# Altium PCB HexapodRobot_STC15W4K48S4.PcbDoc (continued)
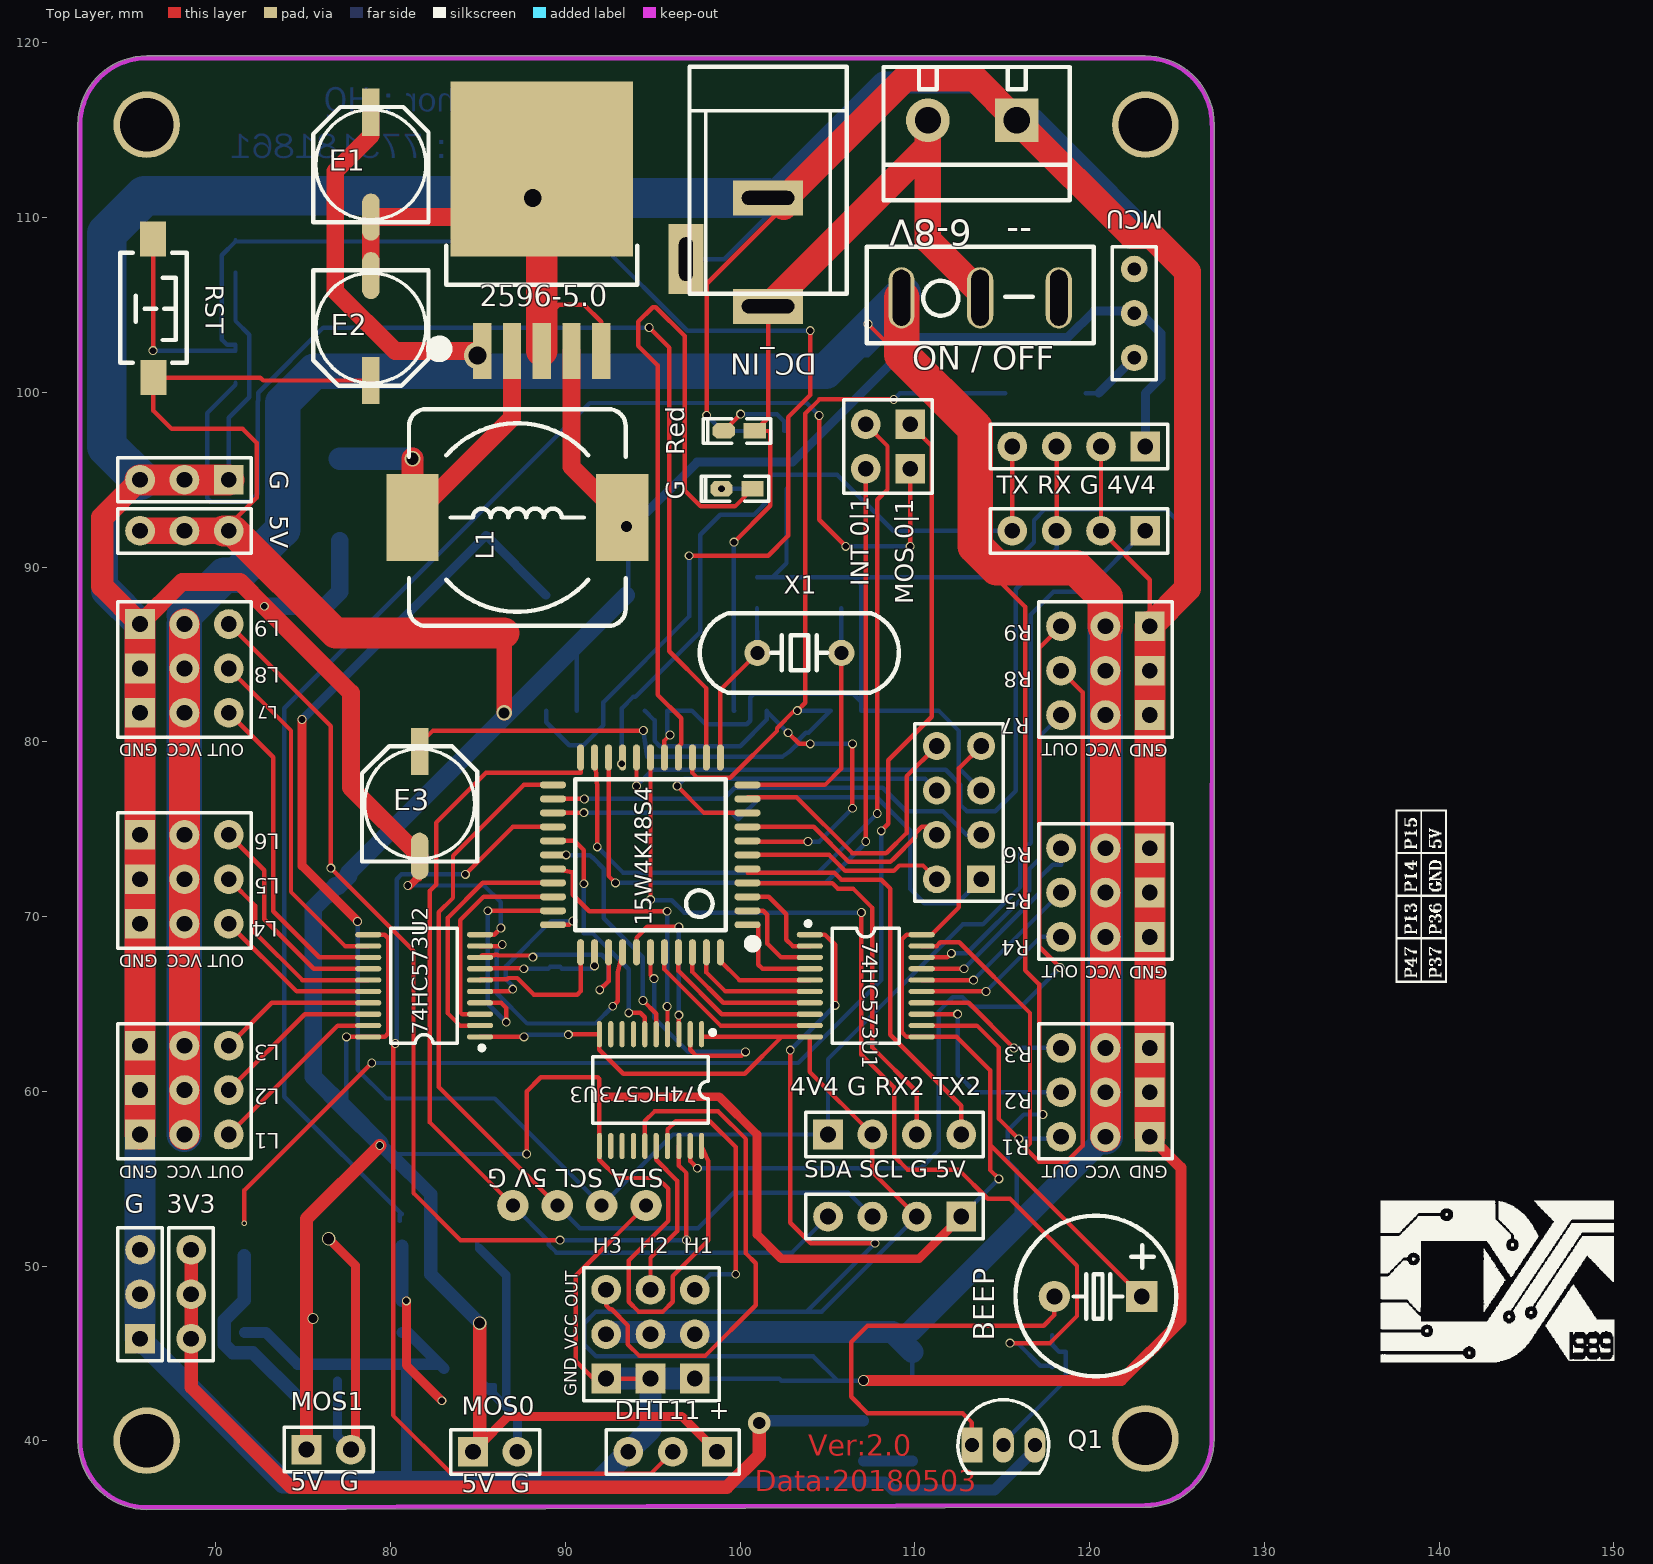
[diagram p0: Top Layer view]
## Nets (pads, with @x,y where several pads share a name; then routed paths per layer and width w, separated by ;. In a path a pad name is that pad's centre, name@x,y a point inside that pad or via, vN(x,y) a via of type N, cw(c..) or ccw(c..) an arc to the next point about the centre after c; other vN are vias at no path point)
1D1: 15W4K48S4.40 74HC573U1.9 | length 10.6
  Top Layer w0.254: 15W4K48S4.40 95.669,66.974 98.878,63.765 74HC573U1.9
1D2: 15W4K48S4.41 74HC573U1.8 | length 9.6
  Top Layer w0.254: 15W4K48S4.41 96.469,66.893 98.947,64.415 74HC573U1.8
1D3: 15W4K48S4.42 74HC573U1.7 | length 8.6
  Top Layer w0.254: 15W4K48S4.42 97.269,66.827 99.031,65.065 74HC573U1.7
1D4: 15W4K48S4.43 74HC573U1.6 | length 7.5
  Top Layer w0.254: 15W4K48S4.43 98.069,66.802 99.156,65.715 74HC573U1.6
1D5: 15W4K48S4.44 74HC573U1.5 | length 6.1
  Top Layer w0.254: 15W4K48S4.44 98.869,67.454 99.958,66.365 74HC573U1.5
1D6: 15W4K48S4.1 74HC573U1.4 | length 5.9
  Top Layer w0.254: 15W4K48S4.1 101.041,69.533 101.041,67.251 101.277,67.015 74HC573U1.4
1D7: 15W4K48S4.2 74HC573U1.3 | length 5.6
  Top Layer w0.254: 15W4K48S4.2 101.322,70.333 101.551,70.104 101.551,68.454 102.34,67.665 74HC573U1.3
1D8: 15W4K48S4.3 74HC573U1.2 | length 5.6
  Top Layer w0.254: 15W4K48S4.3 101.638,71.133 102.638,70.132 102.638,68.682 103.005,68.315 74HC573U1.2
1Q1: 74HC573U1.12 *7.7 | length 13.1
  Top Layer w0.254: 74HC573U1.12 113.552,63.765 114.808,62.509 114.808,58.42 v1(115.951,57.277)
  Bottom Layer w0.254: v1(115.951,57.277) 118.237,57.277 *7.7
1Q2: 74HC573U1.13 *7.8 | length 11.9
  Top Layer w0.254: 74HC573U1.13 v1(112.445,64.415)
  Bottom Layer w0.254: v1(112.445,64.415) 112.445,60.96 113.461,59.944 *7.8
1Q3: 74HC573U1.14 *7.9 | length 9
  Top Layer w0.254: 74HC573U1.14 113.083,65.065 v1(115.664,62.484)
  Bottom Layer w0.254: v1(115.664,62.484) *7.9
1Q4: 74HC573U1.15 *8.7 | length 9.3
  Top Layer w0.254: 74HC573U1.15 v1(114.071,65.715)
  Bottom Layer w0.254: v1(114.071,65.715) 117.19,68.834 *8.7
1Q5: 74HC573U1.16 *8.8 | length 10.1
  Top Layer w0.254: 74HC573U1.16 v1(113.355,66.365)
  Bottom Layer w0.254: v1(113.355,66.365) *8.8
1Q6: 74HC573U1.17 *8.9 | length 11.9
  Top Layer w0.254: 74HC573U1.17 v1(112.806,67.015)
  Bottom Layer w0.254: v1(112.806,67.015) 117.119,71.328 117.119,72.212 117.881,72.974 118.364,72.974 *8.9
1Q7: 74HC573U1.18 *9.7 | length 18.5
  Top Layer w0.254: 74HC573U1.18 111.861,67.665 v1(112.09,67.894)
  Bottom Layer w0.254: v1(112.09,67.894) 112.967,67.894 116.558,71.486 116.558,72.73 117.133,73.304 117.133,80.303 *9.7
1Q8: 74HC573U1.19 *9.8 | length 47.5
  Top Layer w0.254: 74HC573U1.19 111.241,68.315 111.455,68.529 112.54,68.529 116.586,64.483 116.586,57.014 116.332,56.76 116.332,56.744 117.094,55.982 118.694,55.982 119.609,56.896 119.609,82.829 *9.8
2D1: 15W4K48S4.30 74HC573U2.2 | length 14.4
  Top Layer w0.254: 74HC573U2.2 83.972,63.765 83.278,64.459 83.278,69.939 85.272,71.933 15W4K48S4.30
2D2: 15W4K48S4.31 74HC573U2.3 | length 12.3
  Top Layer w0.254: 74HC573U2.3 84.099,64.415 83.972,64.541 83.972,69.787 85.319,71.133 15W4K48S4.31
2D3: 15W4K48S4.32 74HC573U2.4 | length 13
  Top Layer w0.254: 74HC573U2.4 86.319,65.065 86.614,64.77 v1(86.614,63.957) ; v1(85.563,70.333) 15W4K48S4.32
  Bottom Layer w0.254: v1(85.563,70.333) 85.563,65.008 v1(86.614,63.957)
2D4: 15W4K48S4.33 74HC573U2.5 | length 9.7
  Top Layer w0.254: 74HC573U2.5 86.85,65.715 v1(86.984,65.849) v1@87.048,65.913 ; 15W4K48S4.33 90.209,69.533 v1(90.424,69.748)
  Bottom Layer w0.254: v1(86.984,65.849) 86.957,65.849 86.893,65.913 86.995,66.015 86.579,66.431 86.579,67.148 89.179,69.748 v1(90.424,69.748)
2D5: 15W4K48S4.34 74HC573U2.6 | length 8.5
  Top Layer w0.254: 74HC573U2.6 85.171,66.421 86.658,66.421 86.721,66.484 87.247,66.484 88.2,65.532 90.678,65.532 90.869,65.723 15W4K48S4.34
2D6: 15W4K48S4.35 74HC573U2.7 | length 7.5
  Top Layer w0.254: 74HC573U2.7 85.156,67.056 87.579,67.056 v1(87.62,67.015) ; v1(91.669,67.183) 15W4K48S4.35
  Bottom Layer w0.254: v1(87.62,67.015) 89.014,67.015 89.119,67.12 89.697,67.12 89.802,67.015 91.501,67.015 v1(91.669,67.183)
2D7: 15W4K48S4.36 74HC573U2.8 | length 11.9
  Top Layer w0.254: 74HC573U2.8 85.234,67.784 85.935,67.784 85.958,67.807 86.087,67.807 86.122,67.772 88.057,67.772 88.138,67.691 v1(88.138,67.682) ; v1(91.969,65.807) 92.469,66.307 15W4K48S4.36
  Bottom Layer w0.254: v1(88.138,67.682) 88.138,67.691 88.265,67.818 92.075,67.818 92.456,67.437 92.456,66.294 v1(91.969,65.807)
2D8: 15W4K48S4.37 74HC573U2.9 | length 15.2
  Top Layer w0.254: 74HC573U2.9 86.294,68.315 v1(86.385,68.407) ; v1(92.71,64.872) 92.995,65.156 92.995,66.807 15W4K48S4.37
  Bottom Layer w0.254: v1(86.385,68.407) 86.071,68.092 86.071,65.617 87.806,63.881 91.719,63.881 v1(92.71,64.872)
2Q1: 74HC573U2.19 *11.9 | length 10.6
  Top Layer w0.254: *11.9 76.973,63.765 74HC573U2.19
2Q2: 74HC573U2.18 *11.8 | length 9.8
  Top Layer w0.254: *11.8 75.083,64.415 74HC573U2.18
2Q3: 74HC573U2.17 *11.7 | length 9
  Top Layer w0.254: *11.7 73.193,65.065 74HC573U2.17
2Q4: 74HC573U2.16 *12.9 | length 9.6
  Top Layer w0.254: *12.9 74.62,65.715 74HC573U2.16
2Q5: 74HC573U2.15 *12.8 | length 11.3
  Top Layer w0.254: *12.8 72.263,70.612 72.263,69.054 74.952,66.365 74HC573U2.15
2Q6: 74HC573U2.14 *12.7 | length 12.8
  Top Layer w0.254: *12.7 72.771,72.644 72.771,69.85 75.606,67.015 74HC573U2.14
2Q7: 74HC573U2.13 *13.9 | length 18.9
  Top Layer w0.254: *13.9 73.279,79.121 73.279,70.307 75.921,67.665 74HC573U2.13
2Q8: 74HC573U2.12 *13.8 | length 20
  Top Layer w0.254: *13.8 74.295,80.645 74.295,71.411 77.391,68.315 74HC573U2.12
3D1: 15W4K48S4.39 74HC573U3.2 | length 14.2
  Top Layer w0.254: 15W4K48S4.39 94.869,66.65 v1(95.072,66.446) ; 74HC573U3.2 97.144,62.382 97.5,62.027 100.076,62.027 v1(100.305,62.255)
  Bottom Layer w0.254: v1(95.072,66.446) 95.072,64.211 97.028,62.255 v1(100.305,62.255)
3D2: 15W4K48S4.38 74HC573U3.3 | length 9.7
  Top Layer w0.254: 15W4K48S4.38 94.069,68.796 94.691,69.418 v1(96.494,69.418) ; 74HC573U3.3 v1(96.494,64.364)
  Bottom Layer w0.254: v1(96.494,64.364) v1(96.494,69.418)
3D3: 15W4K48S4.29 74HC573U3.4 | length 15.3
  Top Layer w0.254: 15W4K48S4.29 90.424,72.53 90.424,71.247 91.364,70.307 v1(95.824,70.307) ; v1(95.824,64.85) 95.844,64.831 74HC573U3.4
  Bottom Layer w0.254: v1(95.824,64.85) v1(95.824,70.307)
3D4: 15W4K48S4.28 74HC573U3.5 | length 13.9
  Top Layer w0.254: 15W4K48S4.28 v1(90.043,73.533) ; v1(94.437,65.202) 95.194,64.445 74HC573U3.5
  Bottom Layer w0.254: v1@90.043,73.508 91.406,73.508 91.558,73.355 91.592,73.355 92.202,72.746 92.202,69.911 94.437,67.676 v1(94.437,65.202)
3D5: 15W4K48S4.27 74HC573U3.6 | length 14.7
  Top Layer w0.254: 15W4K48S4.27 90.522,74.333 91.059,73.796 v1(91.059,71.882) ; v1(93.624,64.491) 94.285,64.491 94.544,64.231 74HC573U3.6
  Bottom Layer w0.254: v1(91.059,71.882) 91.059,69.032 91.579,69.032 93.624,66.987 v1(93.624,64.491)
3Q1: 74HC573U3.19 *9.9 | length 52.6
  Top Layer w0.254: 74HC573U3.19 97.144,56.007 v1(97.55,55.601) ; v1(118.313,67.081) 117.119,68.275 117.119,85.369 *9.9
  Bottom Layer w0.254: v1(97.55,55.601) 110.338,55.601 111.354,56.617 111.354,64.567 112.166,65.38 112.725,65.38 113.259,64.846 116.078,64.846 v1(118.313,67.081)
3Q2: 74HC573U3.18 *13.7 | length 59.2
  Top Layer w0.254: *13.7 76.581,80.899 v1(76.581,72.771) 81.305,68.047 81.305,54.178 83.998,51.486 v1(89.687,51.486) ; 74HC573U3.18 96.494,55.753 96.926,55.321 v1(96.926,51.486)
  Bottom Layer w0.254: v1(89.687,51.486) v1(96.926,51.486)
3Q3: 74HC573U3.17 *10.9 | length 15.6
  Top Layer w0.254: 74HC573U3.17 95.844,57.82 96.317,58.293 98.268,58.293 99.746,56.815 v1(99.746,49.53)
  Bottom Layer w0.254: *10.9 98.298,49.53 v1(99.746,49.53)
3Q4: 74HC573U3.16 *10.8 | length 9.4
  Top Layer w0.254: *10.8 94.869,50.47 96.404,52.005 96.404,54.873 95.194,56.083 74HC573U3.16
3Q5: 74HC573U3.15 *10.7 | length 30.3
  Top Layer w0.254: *10.7 92.329,47.752 92.558,47.523 92.648,47.523 93.574,46.597 93.574,45.517 94.234,44.856 97.993,44.856 100.889,47.752 100.889,50.165 100.33,50.724 100.33,57.268 98.746,58.852 95.098,58.852 94.544,58.298 74HC573U3.15
ADC: 15W4K48S4.7 R2.2 R3.1 | length 25.8
  Top Layer w0.254: 15W4K48S4.7 100.458,74.295 v1(103.886,74.295) ; v1(102.743,80.518) 103.378,79.883 v1(104.013,79.883) ; v1(106.426,76.2) v1(106.426,79.883)
  Bottom Layer w0.254: R3.1 95.101,81.226 95.101,80.061 95.406,79.756 100,79.756 101.524,81.28 R2.2@101.524,81.737 ; R2.2 101.511,81.75 R2.2@101.524,81.737 ; v1(102.743,80.518) R2.2@101.524,81.737 ; v1(103.886,74.295) 104.521,74.295 v1(106.426,76.2) ; v1(104.013,79.883) v1(106.426,79.883)
Beep: 15W4K48S4.17 R7.1 | length 58.7
  Top Layer w0.254: v1(94.869,70.968) 15W4K48S4.17 ; v1(106.934,70.231) 106.934,62.103 108.814,60.223 108.814,56.286 109.576,55.524 112.497,55.524 114.173,53.848 115.443,53.848 119.278,50.013 119.278,47.142 117.729,45.593 v1(115.443,45.593)
  Bottom Layer w0.254: v1(94.869,70.968) 94.894,70.942 96.087,70.942 96.799,70.231 v1(106.934,70.231) ; v1(115.443,45.593) 115.875,45.593 117.17,44.298 117.856,44.298 R7.1
DATA: 15W4K48S4.26 "DHT11 +.2" | length 58.8
  Top Layer w0.254: v1@80.137,62.611 80.137,41.453 83.464,38.125 94.894,38.125 96.139,39.37 ; v1(84.277,72.415) 86.995,75.133 15W4K48S4.26
  Bottom Layer w0.254: v1(80.264,62.738) 80.34,62.662 80.34,72.136 80.62,72.415 v1(84.277,72.415)
GND: 15W4K48S4.16 74HC573U1.1 74HC573U1.10 74HC573U2.1 74HC573U2.10 74HC573U3.1 74HC573U3.10 1117-3.3.1 2596-5.0.3 2596-5.0.5 "4V4 G RX2 TX2.2" "--   6-8V.1" "DHT11 +.3" "SDA SCL 5V G.1" "SDA SCL G 5V.2" "TX RX G 4V4.2" *4.2 *7.1 *7.2 *7.3 *8.1 *8.2 *8.3 *9.1 *9.2 *9.3 *10.1 *10.2 *10.3 *11.1 *11.2 *11.3 *12.1 *12.2 *12.3 *13.1 *13.2 *13.3 C2.1 C3.1 C4.1 DC_IN.2 DC_IN.3 E1.2 E2.2 E3.2 G.1@65.659,45.847 G.1@70.739,94.996 G.2@65.659,48.387 G.2@68.199,94.996 G.3 JP3.5 Q1.3 R1.2 R3.2 R4.2 R6.1 R9.2 R11.2 SI2303A.2 SI2303B.2 VD2.1 | length 753.6
  Top Layer w0.254: v1(80.975,71.78) 81.331,72.136 E3.2@81.576,72.136 ; v1@81.09,71.649 E3.2@81.576,72.136 ; E3.2 E3.2@81.661,72.221 ; 74HC573U2.1 v1(87.63,63.115) ; 74HC573U2.10 85.928,68.965 v1(86.309,69.346) ; 2596-5.0.3@87.566,111.697 v3(88.138,111.125) ; 88.646,104.038 89.611,105.004 91.081,105.004 92.046,104.038 2596-5.0.5 ; v1(90.17,63.246) 90.195,63.271 74HC573U3.10 91.944,62.382 93.316,61.011 100.258,61.011 102.362,63.115 ; 94.615,53.467 90.59,49.442 90.59,44.563 91.592,43.561 *10.1 *10.2 ; 15W4K48S4.16 95.669,80.073 v1(95.987,80.391) ; 74HC573U3.1 97.794,63.115 102.362,63.115 ; v1(98.082,98.692) 98.082,106.21 DC_IN.2@102.489,110.617 ; v1(102.87,62.357) 102.87,52.476 104.038,51.308 v1(107.721,51.308) ; 74HC573U1.1 104.851,68.965 105.435,68.381 v1(105.435,64.922) ; 110.109,52.832 107.569,55.372 107.569,57.531 103.988,61.112 74HC573U1.10 102.362,63.115 ; 120.65,96.901 *4.2 123.444,89.281 *9.3 ; E3.2@81.576,72.136 81.661,72.136 E3.2@81.661,72.221 ; E3.2@81.576,72.136 E3.2@81.661,72.221
  Top Layer w0.635: v4(107.061,43.448) 121.807,43.448 125.222,46.863 125.222,55.626 *7.1
  Top Layer w1.016: *13.1 68.072,89.154 71.374,89.154 v1(72.771,87.757) 77.724,82.804 77.724,77.391 E3.2 ; E2.2 E1.2 85.9,110.03 2596-5.0.3@87.566,111.697
  Top Layer w1.27: *13.1 63.5,88.9 63.5,92.837 G.3@65.659,94.996
  Top Layer w1.524: DC_IN.2@102.489,110.617 102.489,110.998 109.474,117.983 113.411,117.983 115.824,115.57 122.428,108.966 123.545,108.966 125.603,106.908 125.603,88.773 *9.3
  Top Layer w1.778: *11.3 *11.2 *11.1 *12.3 *12.2 *12.1 *13.3 *13.2 *13.1 ; G.3@65.659,94.996 68.199,94.996 G.1@70.739,94.996 ; 2596-5.0.3@88.646,102.362 88.646,104.038 2596-5.0.3@88.646,112.776 ; *7.1 *7.2 *7.3 *8.1 *8.2 *8.3 *9.1 *9.2 *9.3
  Bottom Layer w0.254: G.1@70.739,94.996 70.739,98.551 71.907,99.72 71.907,103.302 71.12,104.089 R6.1 ; v1(80.975,71.78) 85.344,71.78 86.309,70.815 v1(86.309,69.346) ; v1(87.63,63.115) 87.761,63.246 v1(90.17,63.246) ; v1(95.987,80.391) 95.834,80.543 95.834,81.788 R3.2 97.231,81.788 98.019,81.001 100.381,81.001 100.584,81.204 100.584,82.55 100.787,82.753 106.477,82.753 106.934,82.296 ; DC_IN.3 99.091,107.625 DC_IN.2@102.095,110.63 ; *10.3 102.235,43.561 102.348,43.448 105.574,43.448 ; v1(98.082,98.692) 98.984,97.79 R1.2 ; C3.1 101.841,89.408 ; R4.2 102.654,90.221 101.841,89.408 ; v1(102.87,62.357) v1(105.435,64.922) ; v4(107.061,43.448) 105.574,43.448 ; v1(107.721,51.308) 103.81,47.396 ; 110.109,52.832 104.673,47.396 103.81,47.396 ; JP3.5 112.522,78.486 112.522,80.62 111.354,81.788 C4.1 106.934,82.296 ; Q1.3@116.713,39.751 Q1.3 ; 125.476,92.202 124.358,93.32 117.45,93.32 116.815,92.685 116.815,91.415 114.808,89.408 106.528,89.408 ; 101.841,89.408 C2.1 106.528,89.408 ; 103.81,47.396 91.745,47.396 91.084,46.736 91.084,45.517 91.77,44.831 104.191,44.831 105.574,43.448 ; 106.528,89.408 106.934,89.002 106.934,82.296
  Bottom Layer w0.635: R11.2 72.87,46.19 SI2303B.2 80.899,44.384 ; R9.2 80.998,46.19 82.804,44.384 ; 80.899,37.631 80.899,44.384 ; SI2303A.2 82.804,44.384 ; 91.86,37.631 108.289,37.631 108.743,37.177 114.544,37.177 116.713,39.345 Q1.3@116.713,39.751 ; 80.899,44.384 82.804,44.384
  Bottom Layer w1.016: v1(72.771,87.757) 76.251,87.757 77.089,88.595 VD2.1 VD2.1@77.089,91.503
  Bottom Layer w1.27: 63.754,88.646 63.754,93.091 G.3@65.659,94.996 ; G.1@65.659,45.847 73.875,37.631 80.899,37.631 91.86,37.631 93.599,39.37 94.869,40.64 *10.2 ; *10.1 *10.2 ; *10.3 *10.2 ; DC_IN.2 108.204,117.729 113.665,117.729 115.824,115.57 116.84,115.57 125.476,106.934 125.476,92.202 125.476,88.646 *9.3 *9.2 *9.1 *8.3 *8.2 *8.1 *7.3 *7.2 *7.1
  Bottom Layer w1.778: 63.754,88.646 *13.1 *13.2 *13.3 *12.1 *12.2 *12.3 *11.1 *11.2 *11.3 65.659,50.927 65.659,48.387 G.1@65.659,45.847
  Bottom Layer w2.286: G.3@65.659,94.996 63.754,96.901 63.754,109.093 65.913,111.252 v3@88.138,111.252 ; v3(88.138,111.125) DC_IN.2
INT0: 15W4K48S4.20 JP2.1 | length 44
  Top Layer w0.254: 15W4K48S4.20 92.469,72.326 v1(92.862,71.933) ; v1(107.188,74.295) JP2.1
  Bottom Layer w0.254: v1(92.862,71.933) 104.902,71.933 107.188,74.219 v1(107.188,74.295)
INT1: 15W4K48S4.21 JP2.2 | length 46.2
  Top Layer w0.254: 15W4K48S4.21 91.821,77.445 v1(91.821,73.99) ; JP2.2 108.433,96.926 108.433,94.437 107.848,93.853 v1(107.848,75.895)
  Bottom Layer w0.254: v1(91.821,73.99) 93.294,72.517 104.47,72.517 v1(107.848,75.895)
IR1: 15W4K48S4.6 JP3.2 | length 11.7
  Top Layer w0.254: 15W4K48S4.6 105.091,73.533 106.005,72.619 108.803,72.619 109.107,72.923 110.465,72.923 JP3.2
IR2: 15W4K48S4.8 JP3.4 | length 12.8
  Top Layer w0.254: 15W4K48S4.8 104.209,75.133 106.216,73.127 108.592,73.127 108.784,73.318 110.033,74.567 110.033,74.768 110.398,75.133 110.795,75.133 JP3.4
IR3: 15W4K48S4.9 JP3.6 | length 20
  Top Layer w0.254: v1(96.393,77.47) 97.93,75.933 15W4K48S4.9
  Bottom Layer w0.254: v1(96.393,77.47) 96.799,77.876 110.592,77.876 JP3.6
IR4: 15W4K48S4.10 JP3.8 | length 16.7
  Top Layer w0.254: 15W4K48S4.10 100.42,76.835 103.226,76.835 106.426,73.635 108.335,73.635 108.425,73.677 109.525,74.778 109.525,78.029 JP3.8
IR5: 15W4K48S4.25 JP3.1 | length 30.2
  Top Layer w0.254: 15W4K48S4.25 89.304,75.946 v1(91.059,75.946)
  Bottom Layer w0.254: v1(91.059,75.946) 99.517,75.946 99.898,75.565 101.168,76.835 107.823,76.835 109.728,74.93 109.728,71.577 110.541,70.764 112.42,70.764 JP3.1
IR6: 15W4K48S4.24 JP3.3 | length 25.9
  Top Layer w0.254: 15W4K48S4.24 v1(91.084,76.733)
  Bottom Layer w0.254: v1(91.084,76.733) 99.06,76.733 99.695,77.368 108.153,77.368 109.499,76.022 111.608,76.022 112.954,74.676 JP3.3
LED: 15W4K48S4.15 G.1@100.711,94.481 | length 43.2
  Top Layer w0.254: 15W4K48S4.15 96.469,79.744 96.622,79.897 96.622,81.356 95.275,82.702 95.275,101.549 94.158,102.667 94.158,104.038 94.996,104.877 95.174,104.877 96.825,103.226 96.825,94.386 97.739,93.472 99.701,93.472 G.1@100.711,94.481
MOS0: JP2.3 R8.1 | length 86.7
  Top Layer w0.254: v1(104.521,98.679) 104.521,92.71 v1(106.045,91.186) ; v1(109.728,91.186) JP2.3
  Bottom Layer w0.254: R8.1@80.518,52.578 80.518,52.959 R8.1@80.645,52.959 ; R8.1 R8.1@80.645,52.959 ; v1(104.521,98.679) 103.81,99.39 91.389,99.39 73.914,81.915 73.914,59.69 R8.1@80.645,52.959 ; v1(106.045,91.186) v1(109.728,91.186)
MOS1: JP2.4 R10.1 | length 76.8
  Top Layer w0.254: v9(71.628,52.451) 71.628,54.331 v1(78.918,61.62) ; v1(108.077,74.905) 108.483,75.311 108.483,78.943 110.973,81.432 110.973,96.926 JP2.4
  Bottom Layer w0.254: v1(78.918,61.62) 103.327,61.62 108.077,66.37 v1(108.077,74.905)
Net15W4K48S4_11: 15W4K48S4.11 C2.2 X1.2 | length 14.9
  Top Layer w0.254: 15W4K48S4.11 104.851,77.533 105.791,78.473 X1.2
  Bottom Layer w0.254: X1.2 C2.2
Net15W4K48S4_12: 15W4K48S4.12 C3.2 X1.1 | length 9.4
  Top Layer w0.254: 15W4K48S4.12 98.869,82.968 X1.1
  Bottom Layer w0.254: C3.2 100.965,86.361 100.991,86.335 X1.1
Net1117-3.3_3: 1117-3.3.3 VD6.2 | length 2.8
  Bottom Layer w0.635: 1117-3.3.3 VD6.2
Net2596-5.0_2: 2596-5.0.2 L1.1 VD2.2 | length 19.4
  Top Layer w1.016: L1.1 86.946,98.534 2596-5.0.2
  Top Layer w1.27: L1.1 v6(81.249,96.203)
  Bottom Layer w1.27: VD2.2@77.089,96.203 v6(81.249,96.203)
NetBEEP_2: BEEP.2 Q1.1 | length 25.3
  Top Layer w0.254: Q1.1 113.262,41.046 112.729,41.58 107.29,41.58 106.35,42.52 106.35,45.651 107.29,46.591 117.374,46.591 117.983,47.2 BEEP.2
NetC1_1: C1.1 R5.2 R6.2 RST.1 | length 88.4
  Top Layer w0.254: v1(66.401,102.387) RST.1 ; v1(97.079,90.653) 101.6,90.653 102.743,91.796 102.743,98.577 104.013,99.847 v1(104.013,103.53)
  Bottom Layer w0.254: v1(66.401,102.387) 71.12,102.387 R5.2 71.12,102.718 70.637,102.718 70.333,103.022 70.333,107.848 R6.2@71.12,108.636 ; R6.2 R6.2@71.12,108.636 ; C1.1 88.9,81.128 90.221,79.807 91.034,79.807 92.177,80.95 92.177,82.271 97.079,87.173 v1(97.079,90.653) ; v1(104.013,103.53) 96.977,103.53 91.897,108.61 R6.2@71.12,108.636
NetG_2: G.2@98.933,94.481 R4.1 | length 1.9
  Bottom Layer w0.254: v1(98.933,94.481) 100.793,94.481 R4.1
NetMCU_1: MCU.1 VD3.1 | length 3.6
  Bottom Layer w0.254: VD3.1 VD3.1@120.523,99.949
  Bottom Layer w0.5: VD3.1@120.523,99.949 MCU.1
NetMOS1_2: MOS0.2 SI2303A.3 VD4.1 | length 16.9
  Bottom Layer w0.254: VD4.1 84.963,51.003 VD4.1@85.09,51.003 ; SI2303A.3 85.954,43.18 85.954,42.647 86.614,41.986
  Bottom Layer w0.508: VD4.1@85.09,51.003 86.614,49.479 86.614,41.986 ; SI2303A.3 87.249,41.275 MOS0.2
NetMOS2_2: MOS1.2 SI2303B.3 VD5.1 | length 17.3
  Top Layer w0.508: v2(76.454,51.562) 77.978,50.038 MOS1.2@77.978,39.497 ; MOS1.2 MOS1.2@77.724,39.878
  Bottom Layer w0.508: SI2303B.3 76.962,40.259 MOS1.2
NetQ1_2: Q1.2 R7.2 | length 8.5
  Bottom Layer w0.254: Q1.2@114.91,39.751 Q1.2@115.062,39.903 ; Q1.2 Q1.2@115.062,39.903 ; R7.2 117.856,45.491 118.262,45.085 118.643,45.085 118.643,43.485 Q1.2@115.062,39.903
NetR1_1: R1.1 Red.2 | length 4.7
  Top Layer w0.254: Red.2 v1(100.025,98.755)
  Bottom Layer w0.254: v1(100.025,98.755) 102.108,98.755 102.514,98.349 102.514,97.79 R1.1
NetR8_2: R8.2 R9.1 SI2303A.1 | length 9.7
  Top Layer w0.508: v1(80.899,48.006) 80.899,44.323 v1(82.931,42.291)
  Bottom Layer w0.762: R9.1 R8.2
NetR10_2: R10.2 R11.1 SI2303B.1 | length 11
  Bottom Layer w0.762: R10.2 R11.1 70.485,46.901 70.485,45.527 70.965,45.047 72.113,45.047 SI2303B.1
RST: 15W4K48S4.13 R5.1 | length 66.1
  Top Layer w0.254: v1(94.793,103.708) 95.936,102.565 95.936,85.192 98.069,83.058 15W4K48S4.13
  Bottom Layer w0.254: R5.1 71.12,100.432 69.494,98.806 69.494,93.955 69.698,93.751 71.933,93.751 72.39,94.209 72.39,99.484 72.415,99.509 72.415,99.974 76.149,103.708 v1(94.793,103.708)
RXD: 15W4K48S4.18 "TX RX G 4V4.3" *4.3 | length 46.5
  Top Layer w0.254: v1(94.069,77.47) 15W4K48S4.18 ; *4.3 118.11,96.901
  Bottom Layer w0.254: v1(94.069,77.47) 94.996,78.397 111.76,78.397 112.611,77.546 112.611,76.39 112.979,76.022 114.605,76.022 115.773,77.191 115.773,88.728 118.11,91.065 *4.3
RXD2: 15W4K48S4.4 "4V4 G RX2 TX2.3" | length 21.8
  Top Layer w0.254: 15W4K48S4.4 100.445,71.907 105.28,71.907 105.584,71.603 106.46,71.603 107.569,70.494 107.569,62.509 110.109,59.969 110.109,57.531
SCL: 15W4K48S4.23 "SDA SCL 5V G.3" "SDA SCL G 5V.3" | length 50.5
  Top Layer w0.254: 15W4K48S4.23 87.617,77.533 83.566,73.482 83.566,71.069 82.753,70.256 82.753,60.249 89.535,53.467
  Bottom Layer w0.254: 89.535,53.467 90.83,52.172 97.587,52.172 99.619,54.204 106.197,54.204 107.569,52.832
SDA: 15W4K48S4.22 "SDA SCL 5V G.4" "SDA SCL G 5V.4" | length 54.5
  Top Layer w0.254: 86.995,53.467 82.245,58.217 82.245,71.476 82.596,71.827 82.596,75.373 85.455,78.232 90.869,78.232 15W4K48S4.22
  Bottom Layer w0.254: 86.995,53.467 89.052,51.41 89.052,51.206 89.484,50.775 102.972,50.775 105.029,52.832
TXD: 15W4K48S4.19 "TX RX G 4V4.4" *4.4 | length 41.7
  Top Layer w0.254: v1(93.218,78.74) 93.218,79.057 15W4K48S4.19 ; *4.4 115.57,96.901
  Bottom Layer w0.254: v1(93.218,78.74) 93.218,81.914 93.873,82.569 93.999,82.569 97.714,86.284 97.714,91.846 98.857,92.989 100.787,92.989 101.702,93.904 101.702,95.275 105.562,95.275 108.763,92.075 *4.4
TXD2: 15W4K48S4.5 "4V4 G RX2 TX2.4" | length 24.5
  Top Layer w0.254: 15W4K48S4.5 100.42,72.517 105.388,72.517 105.795,72.111 108.077,72.111 108.585,71.603 108.585,63.246 112.649,59.182 112.649,57.531
VCC: 2596-5.0.1 "ON / OFF.1" *7.4 *7.5 *7.6 *8.4 *8.5 *8.6 *9.4 *9.5 *9.6 *10.4 *10.5 *10.6 *11.4 *11.5 *11.6 *12.4 *12.5 *12.6 *13.4 *13.5 *13.6 E1.1 VD6.1 | length 354.5
  Top Layer w0.254: v1(107.315,103.911) 113.45,97.776 113.462,97.765 113.462,91.185 113.462,90.576 116.307,87.732 116.307,66.929 117.119,66.116 117.119,58.877 v1(117.323,58.674)
  Top Layer w1.016: E1.1 78.867,114.681 76.835,112.649 76.835,105.791 80.264,102.362 2596-5.0.1
  Top Layer w1.778: *11.6 *11.5 *11.4 *12.6 *12.5 *12.4 *13.6 *13.5 *13.4 ; *7.4 *7.5 *7.6 *8.4 *8.5 *8.6 *9.4 *9.5 *9.6
  Top Layer w2.032: 109.237,105.41 109.237,102.158 113.45,97.945 113.45,97.776 113.45,91.197 113.462,91.185 114.692,89.955 119.214,89.955 120.904,88.265 *9.6
  Bottom Layer w0.254: *13.4 *13.4@68.199,87.249 ; v3(84.963,102.108) 105.512,102.108 ; *10.4@92.329,46.228 *10.4 *10.5 *10.6 ; v1(107.315,103.911) 105.512,102.108 ; 109.347,105.664 109.237,105.664 109.237,105.554 109.237,105.41 109.237,104.03 107.315,102.108 105.791,102.108 105.512,102.108 ; VD6.1 109.855,45.085 109.855,46.355 109.855,46.533 115.824,52.502 115.824,55.474 115.316,55.982 115.316,57.76 116.23,58.674 v1(117.323,58.674)
  Bottom Layer w1.27: *10.4@92.329,46.228 108.712,46.228 109.855,45.085 ; 109.855,46.355 *7.4
  Bottom Layer w2.032: *11.6 *11.5 *11.4 *12.6 *12.5 *12.4 *13.6 *13.5 *13.4 ; *13.4@68.199,87.249 70.485,89.535 71.197,89.535 73.812,92.15 73.812,99.396 75.636,101.219 104.902,101.219 105.791,102.108 109.237,105.554 109.347,105.664 ; *7.4 *7.5 *7.6 *8.4 *8.5 *8.6 *9.4 *9.5 *9.6
VCC_3.3: 3V3.1 3V3.2 3V3.3 1117-3.3.2 | length 51.5
  Top Layer w0.762: 3V3.3 3V3.2 3V3.1 68.58,43.053 74.295,37.338 99.245,37.338 101.092,39.185 v8(101.092,41.021)
  Bottom Layer w0.635: 1117-3.3.2@100.965,41.148 1117-3.3.2@107.061,41.148
VCC_4.4: "4V4 G RX2 TX2.1" "SDA SCL 5V G.2" *4.1 VD1.2 | length 116.7
  Top Layer w0.508: v1(74.93,81.28) 74.93,72.898 v1(78.105,69.723)
  Bottom Layer w0.254: v1(78.105,69.723) 78.105,61.239 79.756,59.588 85.954,59.588 92.075,53.467 96.139,57.531 105.029,57.531 105.029,61.848 112.733,69.553 113.882,69.553 116.025,71.695 116.025,73.621 116.625,74.221 116.625,87.288 117.932,88.595 119.71,88.595 *4.1
  Bottom Layer w0.508: v1(74.93,81.28) 85.464,91.814 VD1.2@88.886,88.392
VCC_5V: 5V.1 5V.2 5V.3 74HC573U1.11 74HC573U1.20 74HC573U2.11 74HC573U2.20 74HC573U3.11 74HC573U3.20 2596-5.0.4 "DHT11 +.1" "SDA SCL G 5V.1" "TX RX G 4V4.1" BEEP.1 C1.2 E2.1 JP3.7 L1.2 MCU.2 MOS0.1 MOS1.1 RST.2 VD1.1 VD4.2 VD5.2 | length 345.8
  Top Layer w0.254: 5V.1@70.434,92.075 72.339,93.98 72.339,97.104 71.526,97.917 67.462,97.917 66.421,98.958 RST.2 72.542,100.838 72.7,100.68 E2.1 ; v1(77.47,63.115) 74HC573U2.20 79.654,63.115 79.858,63.318 79.858,68.762 79.654,68.965 74HC573U2.11 ; v1(87.782,56.413) 87.782,59.995 88.595,60.808 91.846,60.808 91.944,60.71 91.944,59.69 74HC573U3.11 91.944,56.083 92.985,55.042 95.275,55.042 95.896,54.421 95.896,52.589 93.624,50.317 93.624,47.955 94.183,47.396 95.58,47.396 96.139,47.955 96.139,49.426 98.185,51.472 98.185,55.993 74HC573U3.20 ; JP3.7 112.522,78.486 112.522,70.54 110.947,68.965 74HC573U1.20 109.525,68.965 109.245,68.686 109.245,63.394 109.525,63.115 74HC573U1.11 112.399,63.115 114.3,61.214 114.3,56.943 ; v1(114.808,54.991) 114.3,55.499 114.3,56.943 ; BEEP.1 114.3,56.943
  Top Layer w0.508: MOS0.1@85.09,39.751 86.741,41.402 96.647,41.402 98.679,39.37 ; 91.944,59.69 98.806,59.69 100.965,57.531 100.965,51.816 102.362,50.419 110.236,50.419 112.649,52.832
  Top Layer w0.762: MOS1.1 75.184,52.705 v1(79.375,56.896) ; MOS0.1 85.09,39.751 v2(85.09,46.736)
  Top Layer w0.889: v5(86.487,81.661) 86.487,86.233
  Top Layer w1.016: 2596-5.0.4 90.346,95.74 L1.2
  Top Layer w1.524: 5V.3 5V.2 5V.1@70.434,92.075
  Top Layer w1.778: 5V.1@70.434,92.075 5V.1 70.993,92.075 76.835,86.233 86.487,86.233
  Bottom Layer w0.254: 77.47,58.928 v1(77.47,63.115) ; 79.985,56.413 v1(87.782,56.413) ; C1.2 90.653,85.559 ; VD1.1@93.486,88.392 93.599,88.392 93.599,92.075 93.599,92.202 v7(93.486,92.315) ; 112.649,52.832 v1(114.808,54.991)
  Bottom Layer w0.508: v7@93.599,92.075 97.536,96.012 102.997,96.012 110.137,103.152 118.758,103.152 120.254,104.648 122.809,104.648 124.079,103.378 124.079,100.838 123.19,99.949 123.19,96.901
  Bottom Layer w0.762: v1(79.375,56.896) 79.502,56.896 79.985,56.413 82.296,54.102 82.296,49.53 v2(85.09,46.736)
  Bottom Layer w1.016: v1(79.375,56.896) 79.375,57.023 77.47,58.928 75.565,60.833 75.565,70.471 76.849,71.755 77.002,71.755 77.597,72.35 77.597,72.503 90.653,85.559 VD1.1@93.486,88.392
  other v4: 75.565,46.99
VCC_IN: "--   6-8V.2" "ON / OFF.2" DC_IN.1 R2.1 Red.1 | length 49.6
  Top Layer w0.254: v1(99.644,91.43) 101.727,93.513 101.727,97.79 Red.1 101.6,98.552 DC_IN.1 ; 113.665,105.791 113.737,105.791 113.737,105.41
  Top Layer w1.524: DC_IN.1 110.744,114.069 ; 110.744,115.57 110.744,114.069 ; 113.665,105.791 110.744,108.712 110.744,114.069
  Bottom Layer w0.254: v1(99.644,91.43) 99.644,81.788 R2.1
VCC_M: 15W4K48S4.14 C4.2 E3.1 VD3.2 | length 66.6
  Top Layer w0.254: E3.1 81.661,79.883 82.423,80.645 v1(94.463,80.645) ; 15W4K48S4.14 97.269,78.22 97.536,77.953 99.441,77.953 102.108,80.62 102.108,80.781 103.115,81.788 v1(103.276,81.788) 103.734,82.245 103.734,98.79 104.537,99.593 v1(108.788,99.593)
  Bottom Layer w0.254: v1(94.463,80.645) 94.683,79.146 102.413,79.146 102.853,79.46 103.378,79.985 103.378,80.146 103.75,80.518 103.911,80.518 C4.2 104.673,81.788 ; v1(103.276,81.788) 104.673,81.788 ; 104.486,81.788 104.673,81.788 ; v1(108.788,99.593) 109.144,99.949 VD3.2
pads on no net: 74HC573U3.7 74HC573U3.8 74HC573U3.9 74HC573U3.12 74HC573U3.13 74HC573U3.14 "ON / OFF.3" MCU.3

## Keep-outs
Keep-Out Layer:
  lines w0.254: 123.19,36.322 ccw(c123.19,40.132) 127,40.132 127.016,115.189 ; 123.19,36.325 66.04,36.195 cw(c66.04,40.005) 62.23,40.005 62.23,115.316 cw(c66.04,115.316) 66.04,119.126 123.19,119.126 cw(c123.19,115.316) 127,115.316

## Other copper
Top Layer:
  text "Ver:2.0" at 103.886,38.735 h2.03
  text "Data:20180503" at 100.838,36.703 h2.03
Bottom Layer:
  text "Author：HQ" at 86.614,115.57 h2.54
  text "QQ：773181861" at 86.614,112.903 h2.54

## Silkscreen, mask and mechanical layers (free items; w line width, h text height)
Top Overlay:
  drawing of 2323 lines, arcs and shapes, not listed
  text "INT 0|1" at 107.696,88.9 h1.78 r90
  text "MOS 0|1" at 110.236,87.884 h1.78 r90
  text "5V  G" at 74.295,36.83 h1.78
  text "5V  G" at 84.074,36.703 h1.78
Top Solder:
  text "Ver:2.0" at 103.886,38.735 h2.03
  text "Data:20180503" at 100.838,36.703 h2.03
Bottom Solder:
  text "Author：HQ" at 86.614,115.57 h2.54
  text "QQ：773181861" at 86.614,112.903 h2.54

## Text inside footprints (layer, text, board x,y; h text height)
*7: Top Overlay "VCC" at 121.793,55.753 h0.7 r180; Top Overlay "GND" at 124.46,55.728 h0.7 r180; Top Overlay "OUT" at 119.355,55.778 h0.7 r180; Top Overlay "R2" at 116.713,60.198 h1.52 r180; Top Overlay "R3" at 116.713,62.865 h1.52 r180
*8: Top Overlay "VCC" at 121.793,67.183 h0.7 r180; Top Overlay "GND" at 124.46,67.158 h0.7 r180; Top Overlay "OUT" at 119.355,67.208 h0.7 r180; Top Overlay "R4" at 116.586,68.961 h1.52 r180; Top Overlay "R5" at 116.713,71.628 h1.52 r180; Top Overlay "R6" at 116.713,74.295 h1.52 r180
*9: Top Overlay "VCC" at 121.793,79.883 h0.7 r180; Top Overlay "GND" at 124.46,79.858 h0.7 r180; Top Overlay "OUT" at 119.355,79.908 h0.7 r180; Top Overlay "R7" at 116.586,81.661 h1.52 r180; Top Overlay "R8" at 116.713,84.328 h1.52 r180; Top Overlay "R9" at 116.713,86.995 h1.52 r180
*10: Top Overlay "VCC" at 90.678,45.212 h0.7 r90; Top Overlay "GND" at 90.653,42.545 h0.7 r90; Top Overlay "OUT" at 90.703,47.65 h0.7 r90; Top Overlay "H3" at 91.567,50.419 h1.52; Top Overlay "H2" at 94.234,50.419 h1.52; Top Overlay "H1" at 96.774,50.419 h1.52
*11: Top Overlay "VCC" at 69.215,55.753 h0.7 r180; Top Overlay "GND" at 66.675,55.753 h0.7 r180; Top Overlay "OUT" at 71.628,55.753 h0.7 r180; Top Overlay "L3" at 73.66,62.992 h1.52 r180; Top Overlay "L2" at 73.66,60.452 h1.52 r180
*12: Top Overlay "VCC" at 69.215,67.818 h0.7 r180; Top Overlay "GND" at 66.675,67.818 h0.7 r180; Top Overlay "OUT" at 71.628,67.818 h0.7 r180; Top Overlay "L6" at 73.66,75.057 h1.52 r180; Top Overlay "L5" at 73.66,72.517 h1.52 r180; Top Overlay "L4" at 73.533,70.053 h1.52 r180
*13: Top Overlay "VCC" at 69.215,79.883 h0.7 r180; Top Overlay "GND" at 66.675,79.883 h0.7 r180; Top Overlay "OUT" at 71.628,79.883 h0.7 r180; Top Overlay "L9" at 73.66,87.249 h1.52 r180; Top Overlay "L8" at 73.66,84.582 h1.52 r180; Top Overlay "L7" at 73.533,82.042 h0.7 r180